# Allegro board 4CH-OEI-A2.brd (continued)
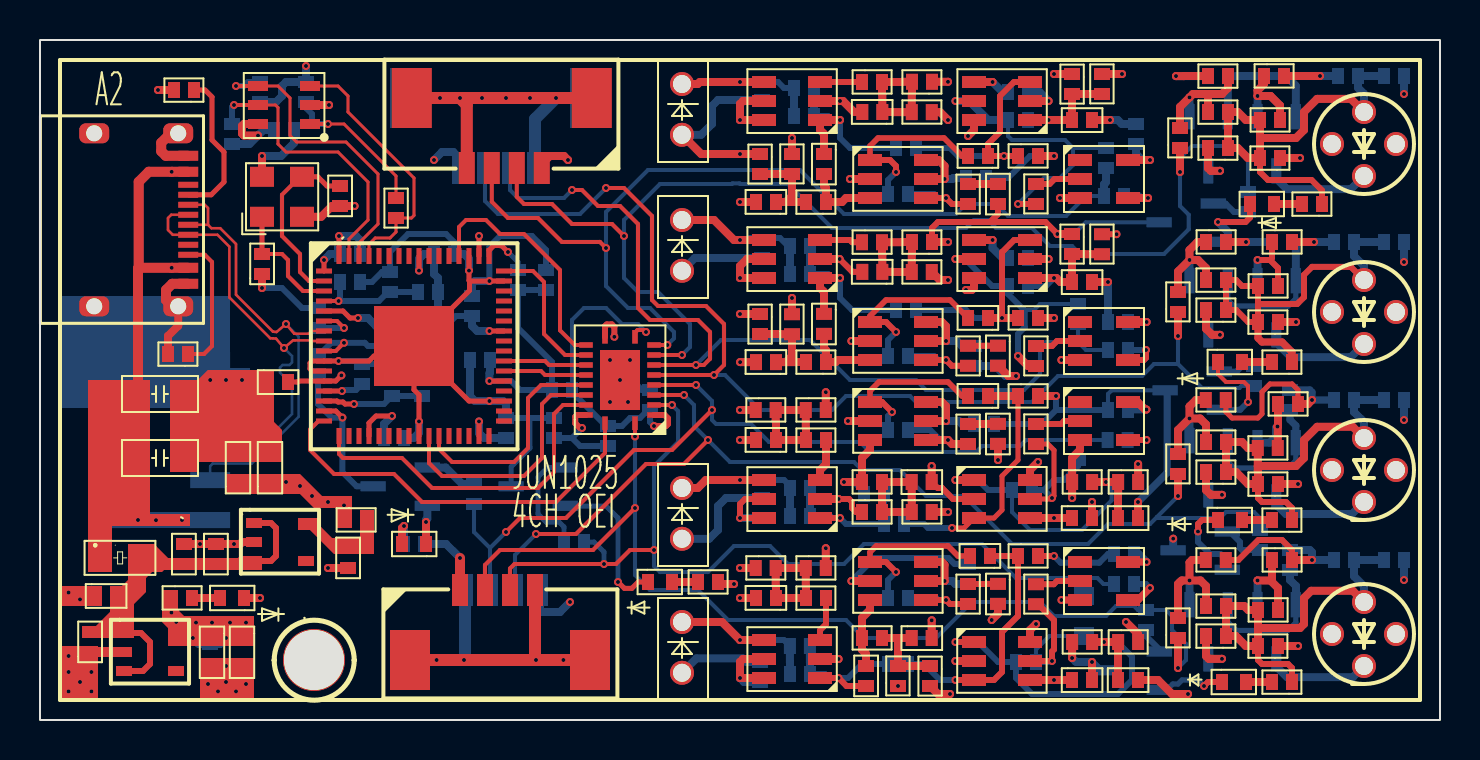
[diagram p0: board, top side]
## Routing (per net, layer and track width the routed paths; a pad name or vN(x,y) marks a point on that pad's centre or on a via; arc(x,y) is an arc through that point) (continued)
N911076: length 8.8
  TOP w0.28: C28.2 45.9,8.2 45.4,8.7 41.81,8.7 41.5,8.39 U18.1
  TOP w0.3: U18.1 42.3,7.9 v1(42.8,7.4)
  BOTTOM w0.3: v1(42.8,7.4) 42.4,7 R121.1
N911088: length 17.7
  TOP w0.127: 53.9,3.9 R79.1
  TOP w0.3: R78.2 52.6,3.9 ; U22.1 v1(45.77,3.9)
  TOP w0.4: C39.1 53.9,3.9 v1(53.2,3.9) R78.2
  BOTTOM w0.3: v1(45.77,3.9) 46.9,3.9 47.9,2.9 R124.2 48.8,2.1 49.6,1.3 53.9,1.3 54.6,2 54.6,3.17 53.87,3.9 v1(53.2,3.9)
N911104: length 8.5
  TOP w0.4: PD4.1 34.1,4.9 v1(35,4) U21.4
  BOTTOM w0.3: C80.1 37.2,4 v1(35,4)
  BOTTOM w0.4: R126.1 37.5,2.89 37.49,2.9 C80.1
N911112: length 8.1
  TOP w0.3: U21.1 v1(39.93,2.1) 40.33,1.7 C37.1
  BOTTOM w0.3: R126.2 39.25,2.3 39.45,2.1 v1(39.93,2.1) 40.4,2.1 41.1,2.8 R125.2
  BOTTOM w0.4: C80.2 38.49,2.9 38.5,2.89 R126.2
N911232: length 8.5
  TOP w0.3: U22.5 v1(50.6,2.95) 50.6,3.43 50.7,3.53 50.7,4.99 49.9,5.79 R70.1
  BOTTOM w0.203: R122.1 50.47,4.2 49.8,3.53 R124.1
  BOTTOM w0.3: R124.1 50.55,2.9 v1(50.6,2.95)
N911614: length 2.3
  TOP w0.3: R70.2 50.69,6.79 50.85,6.95 U19.2
N911626: length 2.2
  TOP w0.36: v1(55.5,6.6) 54.9,6 U19.4
  BOTTOM w0.3: v1(55.5,6.6) 55.3,6.8 R120.2
N911704: length 12.7
  TOP w0.3: C28.1 R63.1 48.9,5.2 48.1,4.4 48.1,2.4 47.7,2 U22.3 v1(45.77,2)
  BOTTOM w0.3: R125.1 44.2,2.8 45,2 v1(45.77,2)
N911756: length 3.5
  TOP w0.4: C37.2 41.3,3.31 41.1,3.51 R77.1 41.1,5.11 41.5,5.51 U18.3
N911932: length 4.5
  TOP w0.4: 42.8,4.1 R77.2 ; 42.8,4.1 42.9,4 R81.2 R82.1 ; 42.8,4.1 C33.1
N931488: length 22.2
  TOP w0.3: R20.1 64.1,26.48 63.58,27 61.4,27 61,27.4 R14.2
  TOP w0.4: 61,29.1 R10.1 60.29,30 59.89,30.4 R9.1 R12.1 59.89,28.6 60.39,28.1 R14.2 61,29.1 ; 61,29.1 62.8,29.1 63.2,29.5 63.2,30.4 63.86,31.06 65.54,31.06 LD1.1
  BOTTOM w0.4: LD1.1 66.2,31.31 65.9,31.61 C41.1 C40.1
N931500: length 20.9
  TOP w0.3: R83.1 62.6,2.6 62.4,2.8 61.1,2.8 60.9,3 R80.2
  TOP w0.4: 60.9,4.6 R74.1 60.41,5.5 60.21,5.7 R73.1 R76.1 59.79,4.2 60.29,3.7 R80.2 60.9,4.6 ; 60.9,4.6 63,4.6 63.2,4.8 63.2,6.1 63.56,6.46 65.64,6.46 LD4.1
  BOTTOM w0.4: LD4.1 66.2,6.69 65.7,7.19 C78.1 C77.1
N931812: length 5.3
  BOTTOM w0.4: LD1.2 65.54,26.54 62.35,26.54 61.81,27.08 Q1.3
N931828: length 5.2
  BOTTOM w0.4: LD4.2 65.64,2.14 62.35,2.14 61.81,2.68 Q12.3
N931856: length 6.3
  TOP w0.4: 58.3,31.3 58.4,31.2 R9.2 ; 58.3,31.3 57.65,31.3 v1(57.48,31.13) 57,30.65 R11.2 ; 58.3,31.3 59.1,31.3 59.4,31.6 R1.1
  BOTTOM w0.4: Q2.1 v1(57.48,31.13)
N931860: length 2.4
  TOP w0.127: 58.4,28.8 R12.2
  TOP w0.4: v1(59,27.46) 58.54,27.46 58.4,27.6 R12.2
  BOTTOM w0.4: Q2.3 v1(59,27.46)
N931876: length 7.3
  TOP w0.4: R75.2 56.9,6.8 57,6.9 57.01,6.9 57.09,6.98 v1(57.48,6.98) ; v1(57.48,6.98) 57.48,7.88 57.6,8 R64.1 ; v1(57.48,6.98) 58.02,6.98 58.3,6.7 R73.2
  BOTTOM w0.4: Q13.1 v1(57.48,6.98)
N931880: length 2.5
  TOP w0.4: v1(59.1,3.06) 58.44,3.06 58.3,3.2 R76.2
  BOTTOM w0.4: v1(59.1,3.06) Q13.3
N931892: length 4.2
  TOP w0.4: R2.1 61.2,31.8 60.88,31.48 v1(60.88,31.2) 61.53,31.2 62,30.73 R10.2
  BOTTOM w0.4: Q1.1 v1(60.88,31.2)
N931896: length 4.5
  TOP w0.4: R65.1 61.6,7.05 61.52,6.98 ; R74.2 61.9,6.6 61.52,6.98 ; 61.52,6.98 v1(60.88,6.98)
  BOTTOM w0.4: Q12.1 v1(60.88,6.98)
N932124: length 7.2
  BOTTOM w0.4: Q1.2 62.79,31.71 62.3,32.2 59.9,32.2 59.89,32.2 R84.1 59.4,31.6 59.39,31.6 Q2.2
N932164: length 7.4
  BOTTOM w0.26: Q13.2 59.39,4.9 59.81,4.48 62.4,4.48 62.79,4.87 Q12.2
  BOTTOM w0.4: Q12.2 62.8,5.78 62.8,6.7 62.5,7 R119.1
N932344: length 20.8
  TOP w0.3: 60.9,20.8 R34.2 60.41,19.9 59.81,20.5 R32.1 R29.1 59.8,22 60.1,21.7 R30.1 60.9,20.8 ; 60.9,20.8 62.86,20.8 63.2,21.14 63.2,22.26 63.6,22.66 65.54,22.66 LD2.1
  TOP w0.36: R41.1 62.6,18.4 62.1,18.9 61.1,18.9 60.9,19.1 R34.2
  BOTTOM w0.4: LD2.1 66.2,22.7 65.7,23.2 C49.1 C48.1
N932356: length 20.6
  TOP w0.3: R57.2 60.9,11.1 61.1,10.9 62.3,10.9 62.6,10.6 R61.1
  TOP w0.4: 60.89,12.7 60.89,12.4 60.9,12.39 R57.2 60.4,11.8 59.8,12.4 R53.1 R50.1 60.1,13.9 60.4,13.6 R51.1 60.89,12.7 ; 60.89,12.7 62.8,12.7 63.2,13.1 63.2,14 63.86,14.66 65.64,14.66 LD3.1
  BOTTOM w0.4: LD3.1 66.2,14.9 65.7,15.4 C67.1 C66.1
N932668: length 5.3
  BOTTOM w0.4: LD2.2 65.54,18.14 62.55,18.14 61.81,18.88 Q4.3
N932684: length 5.2
  BOTTOM w0.4: LD3.2 65.6,10.3 62.29,10.3 61.81,10.78 Q8.3
N932712: length 6
  TOP w0.4: R29.2 58.3,22.6 57.9,23 v1(57.48,23) ; R22.1 57.88,23.9 57.48,23.5 v1(57.48,23) ; R31.2 56.9,22.42 v1(57.48,23)
  BOTTOM w0.4: Q5.1 v1(57.48,23)
N932716: length 2.3
  TOP w0.4: R32.2 58.3,19.56 58.61,19.26 v1(59,19.26)
  BOTTOM w0.4: Q5.3 v1(59,19.26)
N932732: length 6.5
  TOP w0.4: R43.1 57.8,16 57.48,15.68 v1(57.48,15.08) ; v1(57.48,15.08) 56.9,14.5 R52.2 ; v1(57.48,15.08) 58,15.08 58.3,14.78 R50.2
  BOTTOM w0.4: Q7.1 v1(57.48,15.08)
N932736: length 2.5
  TOP w0.4: v1(59.1,11.26) 58.54,11.26 58.3,11.5 R53.2
  BOTTOM w0.4: Q7.3 v1(59.1,11.26)
N932748: length 4.1
  TOP w0.3: 61.5,23 61.6,23.1 R23.1 ; 61.5,23 v1(60.88,23) ; 61.5,23 61.9,22.6 R30.2
  BOTTOM w0.4: Q4.1 v1(60.88,23)
N932752: length 3.8
  TOP w0.4: R51.2 61.89,14.66 v1(61.87,14.67) 61.87,14.69 61.9,14.71 R44.1
  BOTTOM w0.4: Q8.1 61.49,13.87 61.8,14.17 61.8,14.6 v1(61.87,14.67)
N932980: length 7.5
  BOTTOM w0.26: Q5.2 59.39,21 59.7,20.7 62.42,20.7 62.79,21.07 Q4.2
  BOTTOM w0.4: Q4.2 62.79,23.71 R95.1
N933020: length 7.4
  BOTTOM w0.26: Q7.2 59.39,12.91 59.7,12.6 62.42,12.6 62.79,12.97 Q8.2
  BOTTOM w0.36: R108.1 62.5,15.01 62.79,14.72 Q8.2
N997394: length 6
  TOP w0.4: 42.1,31.31 42.12,31.29 C1.1 42.61,30.4 42.61,30.39 R8.1 43.59,31.31 43.6,31.32 R4.2 43.11,31.91 43.1,31.9 R3.2 42.1,31.31
N1001143: length 6
  TOP w0.4: R24.2 43.1,23.89 43.11,23.9 R25.2 43.6,23.31 43.59,23.3 R28.1 42.61,22.4 42.61,22.41 C9.1 42.12,23.28 42.1,23.3 R24.2
N1002126: length 2.1
  TOP w0.3: R24.1 40.61,23.89 40.5,24 U7.3
N1003459: length 6
  TOP w0.4: R45.2 36.78,14.91 36.8,14.89 C19.1 R49.2 38.3,14.59 38.29,14.6 R46.1 R45.2
N1006765: length 6
  TOP w0.4: 38.29,6.7 38.3,6.69 R72.2 C32.1 36.8,6.69 36.78,6.71 R66.2 R67.1 38.29,6.7
N1007413: length 2.2
  TOP w0.3: R72.1 39.3,4.79 39,4.49 U21.3
N1021710: length 1.4
  TOP w0.4: R71.2 D4.2
N1026759: length 1.4
  TOP w0.4: D1.2 R20.2
N1026806: length 4.2
  TOP w0.3: D1.1 60.5,25.12 60.28,24.9 v1(58.9,24.9)
  BOTTOM w0.4: Q3.2 59.21,23.91 59.4,24.1 59.4,24.4 v1(58.9,24.9)
N1028297: length 1.9
  BOTTOM w0.3: R94.2 59.7,25.4 59.28,25.82 Q3.1
N1030033: length 1.3
  TOP w0.4: R83.2 D5.2
N1030065: length 3.5
  TOP w0.3: D5.1 58.4,1.9 v1(58.2,1.7)
  BOTTOM w0.26: Q14.2 56.35,1.51 56.64,1.8 56.9,1.8 57.1,2 57.9,2 v1(58.2,1.7)
N1030111: length 1.4
  BOTTOM w0.3: Q14.1 55.97,3.53 55.3,4.2 R123.2
N1031483: length 1.5
  TOP w0.4: D2.2 R41.2
N1031515: length 4.7
  TOP w0.203: v1(60.4,15.9) 60.4,16.7 60.2,16.9 59.3,16.9 58.9,17.3 D2.1
  BOTTOM w0.3: v1(60.4,15.9) 60.01,15.51 Q6.2
N1031561: length 1.8
  BOTTOM w0.3: R105.2 60.11,17.7 59.83,17.42 Q6.1
N1032803: length 1.5
  TOP w0.4: R61.2 D3.2
N1032835: length 4.3
  TOP w0.3: D3.1 58.1,10 57.9,9.8 v1(57.9,9.42)
  BOTTOM w0.3: v1(57.9,9.42) 57.9,8.9 58.5,8.3 59.02,8.3 59.37,7.95 Q11.2
N1032881: length 2.2
  BOTTOM w0.3: Q11.1 59.48,9.42 60,8.9 60,8.6 60.1,8.5 R117.2
N1044250: length 7.9
  TOP w0.25: D6.1 29.91,6.9 29.59,6.58 29.22,6.58 v1(28.9,6.9)
  BOTTOM w0.25: Q9.2 26.27,10.7 28.3,10.7 28.9,10.1 v1(28.9,6.9)
N1044254: length 5.7
  BOTTOM w0.25: R118.1 26.2,9.65 25.95,9.9 25.3,9.9 24.9,10.3 24.9,12.14 25.38,12.62 Q9.1
N1044997: length 1.3
  TOP w0.4: D6.2 R68.1
N1046668: length 1.8
  TOP w0.4: v1(18.2,9.7) 18.1,9.6 D7.2
  BOTTOM w0.4: R62.1 v1(18.2,9.7)
N1046672: length 1.9
  TOP w0.4: D7.1 v1(19.3,9.9)
  BOTTOM w0.4: v1(19.3,9.9) 19.3,10 19.37,10.07 Q10.2
N1046726: length 2.7
  BOTTOM w0.4: R114.1 21.11,11.8 20.29,12.62 Q10.1

## Copper pours and planes (outline as drawn; the poured copper is in the pictures)
GND on TOP (solid shape): 2.9,1.1 1.1,1.1 1.1,3.7 2.9,3.7
GND on TOP (solid shape): 3.1,5.7 1.1,5.7 1.1,6.7 3.1,6.7
GND on TOP (solid shape): 10.7,1.1 8,1.1 8,3.1 10.7,3.1
GND on TOP (solid shape): 11.7,14.9 12.1,14.5 12.1,12.9 7.9,12.9 7.9,12.4 6.5,12.4 6.5,17 7.9,17 8.4,17.5 11.7,17.5
GND on BOTTOM (solid shape): 9.5,17.6 10.5,17.6 10.5,16.4 9.5,16.4 9.5,15.6 1.1,15.6 1.1,21.2 9.5,21.2
GND on GND-2: 0.6,0.6 0.6,33.6 69.6,33.6 69.6,0.6
VBUS on TOP (solid shape): 6.4,8.1 9.9,8.1 10,8.2 11.1,8.2 11.1,7.5 6.2,7.5 6.1,7.4 5.6,7.4 5.3,7.1 5.3,6.4 4.7,5.8 4.7,4.1 2.1,4.1 2.1,4.7 2.8,4.7 3.5,5.4 3.5,6.7 4.1,6.7 4.4,7 4.4,8.8 5.7,8.8
VBUSIN on TOP (solid shape): 5.5,10.3 7.5,10.3 7.5,9.7 3.6,9.7 3.6,7.4 2.4,7.4 2.4,17 5.5,17
VBUSIN on BOTTOM (solid shape): 9.5,9.6 2.5,9.6 2.5,10.4 9.5,10.4
VBUSIN on VCC-3: 0.6,29.1 7.48,29.1 7.7,28.88 7.7,27.82 6.98,27.1 5.7,27.1 5.49,27.01 5.4,26.8 5.4,17.4 5.42,17.29 5.49,17.19 5.7,16.98 5.7,11.8 5.79,11.59 6,11.5 9.1,11.5 9.1,11.02 7.78,9.7 4.1,9.7 3.99,9.68 3.89,9.61 3.79,9.51 3.72,9.41 3.7,9.3 3.7,7.42 3.68,7.4 0.6,7.4
VDD18 on TOP (solid shape): 14.1,11.2 15.6,11.2 15.6,9.6 14.8,9.6 14.8,10.6 13.7,10.6 13,11.3 9.3,11.3 9.3,12.3 13,12.3
VDD18 on VCC-3: 14.82,24.5 16.68,24.5 17.9,23.28 17.9,20 17.92,19.89 17.99,19.79 19.69,18.09 19.79,18.02 19.9,18 22.88,18 23.3,17.58 23.3,16.82 23.18,16.7 18.3,16.7 18.19,16.68 18.09,16.61 17.39,15.91 17.32,15.81 17.3,15.7 17.3,8.42 17.08,8.2 12.6,8.2 12.6,10.2 12.58,10.31 12.51,10.41 11.81,11.11 11.71,11.18 11.6,11.2 9.7,11.2 9.7,12.88 9.82,13 11,13 11.11,13.02 11.21,13.09 11.91,13.79 11.98,13.89 12,14 12,16.18 12.42,16.6 13.1,16.6 13.21,16.62 13.31,16.69 14.21,17.59 14.28,17.69 14.3,17.8 14.3,23.98 ; 1 cut-out
VDD33 on TOP (solid shape): 6.9,5.5 7.2,5.2 10.7,5.2 10.7,3.7 6.4,3.7 6.4,4.6 6.1,4.9 6.1,6.5 6.9,6.5
VDD33 on VCC-3: 0.7,33.3 69.3,33.3 69.3,0.7 0.7,0.7 0.7,6.8 3.8,6.8 3.91,6.82 4.01,6.89 4.21,7.09 4.28,7.19 4.3,7.3 4.3,9.1 7.9,9.1 8.01,9.12 8.11,9.19 9.52,10.6 11.48,10.6 12,10.08 12,8 12.02,7.89 12.09,7.79 12.19,7.69 12.29,7.62 12.4,7.6 17.2,7.6 17.31,7.62 17.41,7.69 17.81,8.09 17.88,8.19 17.9,8.3 17.9,15.58 18.42,16.1 23.3,16.1 23.41,16.12 23.51,16.19 23.81,16.49 23.88,16.59 23.9,16.7 23.9,17.7 23.88,17.81 23.81,17.91 23.21,18.51 23.11,18.58 23,18.6 20.02,18.6 18.5,20.12 18.5,23.4 18.48,23.51 18.41,23.61 17.01,25.01 16.91,25.08 16.8,25.1 14.7,25.1 14.59,25.08 14.49,25.01 13.79,24.31 13.72,24.21 13.7,24.1 13.7,17.92 12.98,17.2 12.3,17.2 12.19,17.18 12.09,17.11 11.49,16.51 11.42,16.41 11.4,16.3 11.4,14.12 10.88,13.6 9.7,13.6 9.59,13.58 9.49,13.51 9.19,13.21 9.12,13.11 9.1,13 9.1,12.1 6.3,12.1 6.3,17.1 6.28,17.21 6.21,17.31 6,17.52 6,26.5 7.1,26.5 7.21,26.52 7.31,26.59 8.21,27.49 8.28,27.59 8.3,27.7 8.3,29 8.28,29.11 8.21,29.21 7.81,29.61 7.71,29.68 7.6,29.7 0.7,29.7
N830568 on TOP (solid shape): 16.7,8.3 14.7,8.3 13.5,9.5 12.9,9.5 12.9,10.1 14,10.1 14,9.7 14.6,9.1 16,9.1 16,10.5 16.7,10.5

## Text on the board
Ref Des/Silkscreen Bottom: A2 | 4CHOEI | JUN1025 | MIO-2360 | TO | ADAPT
User.Comments: C22 | U2 | C19 | C14 | C13
Ref Des/Silkscreen Top: A2 | 4CH | JUN1025 | OEI
XSECTION_CHART: *  SURFACE - AIR 0 MM | L1 TOP CONDUCTOR - COPPER 0.035 MM | *  DIELECTRIC - FR-4 0.0994 MM | L2 GND-2 CONDUCTOR - COPPER 0.0152 MM | *  DIELECTRIC - FR-4 1.265 MM | L3 VCC-3 CONDUCTOR - COPPER 0.0152 MM | L4 BOTTOM CONDUCTOR - COPPER 0.035 MM | DESIGN CROSS SECTION CHART | ___________________________ | TOTAL THICKNESS 1.5642 MM | 1-4
DIMENSION: FIGURE | FINISHED_SIZE | 0.2 | 0.8 | 0.9 | 3.0 | DRILL CHART: TOP to BOTTOM | ALL UNITS ARE IN MILLIMETERS | PLATED | NON-PLATED | NONSTANDARD | - | SQ- | QTY | 267 | 4 | 24 | 1 | 296 | TOTAL HOLES:
